# Altium PCB netv2mvp-pvt1b.PCBDOC (part 5 of 7)
Units mm, origin at the board's own origin, x right, y up, seen from the top; angles counter-clockwise.
Board outline 100 x 100 mm, 6 copper layers (L1, L2, L3, L4, L5, L6), stack 1.554 mm thick; 357 components, 296 nets, 2117 pads, 969 vias.
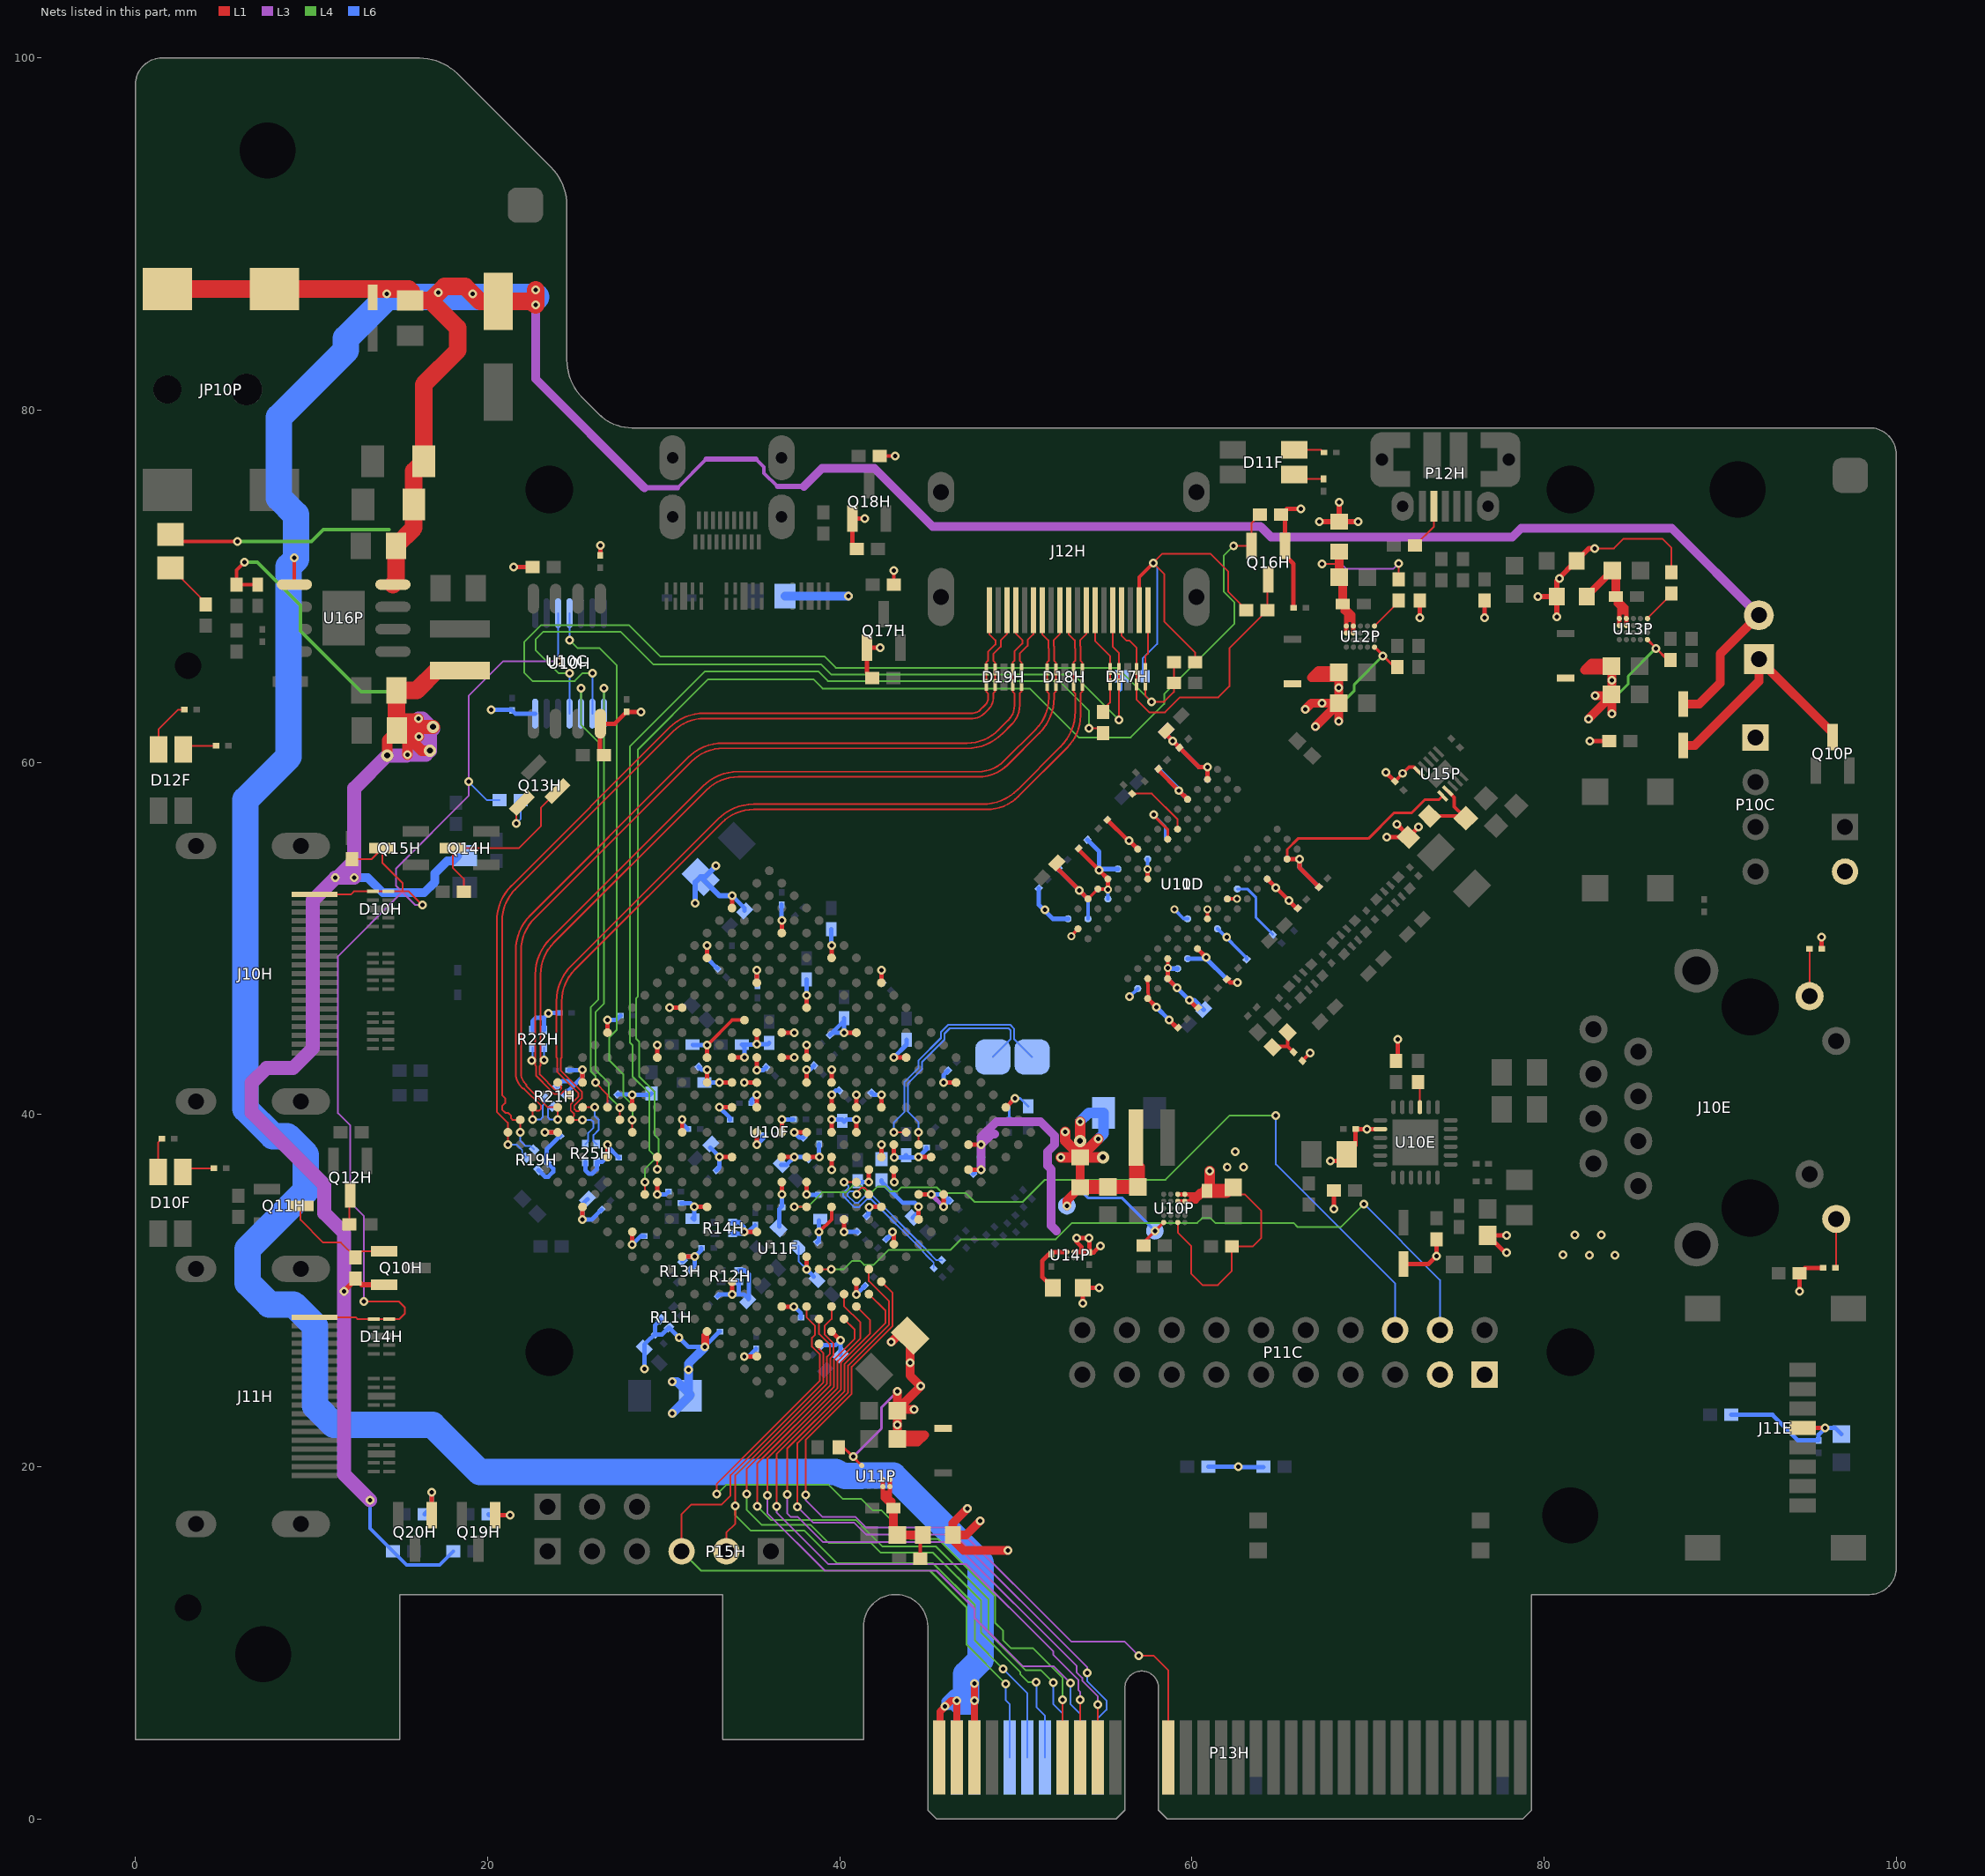
[diagram p9: the nets of this part, all layers, seen from the top]

## Via types
v1: diameter 0.5, hole 0.25, L1 to L6, tented both sides, 895 vias
v2: diameter 0.45, hole 0.25, L1 to L6, tented both sides, 57 vias
v3: diameter 0.7, hole 0.33, L1 to L6, 6 vias
v4: diameter 0.7, hole 0.33, L1 to L6, tented both sides, 5 vias
v5: diameter 0.66, hole 0.33, L1 to L6, tented top, 4 vias
v6: diameter 0.5, hole 0.25, L1 to L6, tented top, 2 vias

## Nets (pads, with @x,y where several pads share a name; then routed paths per layer and width w, separated by ;. In a path a pad name is that pad's centre, name@x,y a point inside that pad or via, vN(x,y) a via of type N, cw(c..) or ccw(c..) an arc to the next point about the centre after c; other vN are vias at no path point) (continued)
HAX_0: P13H.A9 U10F.B15 | length 41
  L1 w0.1: v1(35.9,18.375) 35.9,20.499 39.875,24.474 39.875,26.006 41.175,27.306 41.175,28.2 40.243,29.132 U10F.B15@40.243,29.808
  L3 w0.1: v1(35.9,18.375) 35.9,17.35 39.15,14.1 45.5,14.1 47.65,11.95 47.65,11.425 50.4,8.675 52.15,8.675 v1(53.1,7.725)
  L6 w0.1: v1(53.1,7.725) 53.1,6.525 53.65,5.975 P13H.A9@53.65,3.5
HAX_1: P13H.A7 U10F.B16 | length 40.1
  L1 w0.1: v1(34.725,18.45) 34.725,19.889 39.475,24.639 39.475,26.172 39.65,26.347 39.65,27.006 39.136,27.521 39.136,27.989 39.536,28.389 U10F.B16@39.536,29.101
  L4 w0.1: v1(34.725,18.45) 34.725,17.55 35.575,16.7 38.35,16.7 39.375,15.675 41.775,15.675 42.325,15.125 45.3,15.125 48.025,12.4 48.025,10.575 50.25,8.35 50.25,8.225 50.7,7.775 v1(51.15,7.775)
  L6 w0.1: v1(51.15,7.775) 51.175,7.75 51.175,6.35 51.65,5.875 P13H.A7@51.65,3.5
HAX_2: P13H.A10 U10F.B13 | length 42.1
  L1 w0.1: v1(37.6,17.725) 37.6,21.35 40.475,24.225 40.475,25.758 42.8,28.083 42.8,29.4 41.657,30.543 U10F.B13@41.657,31.222
  L3 w0.1: v1(37.6,17.725) 38.5,16.825 40.825,16.825 41.5,16.15 46.525,16.15 54.05,8.625 v1(54.05,8.3)
  L6 w0.1: v1(54.05,8.3) 54.05,7.825 55.15,6.725 55.15,6.2 54.65,5.7 P13H.A10@54.65,3.5
HAX_3: P13H.B9 U10F.A15 | length 39.8
  L1 w0.1: v1(36.425,17.75) 36.425,20.741 40.075,24.391 40.075,25.924 41.725,27.574 41.725,28.325 U10F.A15@40.95,29.101 ; P13H.B9@53.65,3.5 v1(53.65,6.775)
  L3 w0.1: v1(36.425,17.75) 36.425,17.4 39.35,14.475 47.175,14.475 52.137,9.513 52.137,9.313 53.55,7.9 53.55,7.325 53.65,7.225 v1(53.65,6.775)
HAX_4: P13H.A8 U10F.A16 | length 39.7
  L1 w0.1: v1(35.325,17.75) 35.325,20.206 39.675,24.556 39.675,26.089 40.85,27.264 40.85,27.786 U10F.A16@40.243,28.393
  L4 w0.1: v1(35.325,17.75) 36.1,16.975 40.925,16.975 42.425,15.475 45.475,15.475 48.45,12.5 48.45,10.55 50.55,8.45 51.425,8.45 v1(52.125,7.75)
  L6 w0.1: v1(52.125,7.75) 52.125,6.525 52.65,6 P13H.A8@52.65,3.5
HAX_5: P13H.B12 U10F.A13 | length 44.2
  L1 w0.1: v1(38.075,18.4) 38.075,21.542 40.675,24.142 40.675,25.675 43,28 43,29.879 U10F.A13@42.364,30.515 ; v1(56.975,9.275) 57.825,9.275 58.65,8.45 P13H.B12@58.65,3.5
  L3 w0.1: v1(38.075,18.4) 38.075,18.1 39.025,17.15 40.9,17.15 41.5,16.55 46.675,16.55 53.15,10.075 56.175,10.075 v1(56.975,9.275)
HAX_6: P13H.B10 U10F.A14 | length 40.9
  L1 w0.1: v1(37.025,18.425) 37.025,21.058 40.275,24.308 40.275,25.841 42.6,28.166 42.6,28.864 U10F.A14@41.657,29.808 ; P13H.B10@54.65,3.5 v1(54.65,6.5)
  L3 w0.1: v1(37.025,18.425) 37.025,17.35 37.225,17.15 37.625,17.15 39.05,15.725 46.425,15.725 53.45,8.7 53.45,8.334 53.775,8.009 53.775,7.85 54.65,6.975 v1(54.65,6.5)
HAX_7: P13H.A6 P15H.2 U10F.B17 | length 42
  L1 w0.1: P15H.2@33.56,15.2 33.56,16.26 34.075,16.775 v1(34.075,17.775) 34.075,19.522 39.275,24.722 39.275,26.255 39.45,26.43 39.45,26.923 38.828,27.545 U10F.B17@38.828,28.393
  L4 w0.1: v1(34.075,17.775) 34.075,17.25 34.95,16.375 38,16.375 39.85,14.525 45.3,14.525 47.675,12.15 47.675,10.125 v1(49.275,8.525)
  L6 w0.1: v1(49.275,8.525) 50.65,7.15 P13H.A6@50.65,3.5
HAX_8: P13H.A5 P15H.3 U10F.A18 | length 43.3
  L1 w0.1: P15H.3@31.02,15.2 31.02,17.316 31.554,17.85 33.275,17.85 33.795,18.37 33.795,19.525 39.075,24.805 39.075,26.45 38.828,26.696 U10F.A18@38.828,26.979
  L4 w0.1: P15H.3@31.02,15.2 32.12,14.1 45.125,14.1 47.2,12.025 47.2,9.9 v1(49.425,7.675)
  L6 w0.1: v1(49.425,7.675) 49.425,6.75 49.65,6.525 P13H.A5@49.65,3.5
HAX_9: P13H.B8 U10F.C17 | length 43.6
  L1 w0.1: v1(33.025,18.45) 33.025,19.038 38.875,24.888 38.875,26.367 38.428,26.813 38.428,27.328 38.6,27.5 38.6,28 38.121,28.479 U10F.C17@38.121,29.101 ; P13H.B8@52.65,3.5 v1(52.65,6.775)
  L4 w0.1: v1(33.025,18.45) 33.55,18.975 39.375,18.975 40.175,18.175 41.225,18.175 41.875,17.525 42.375,17.525 44,15.9 45.6,15.9 48.825,12.675 48.825,11.15 49.275,10.7 49.275,10.15 49.725,9.7 50.975,9.7 52.65,8.025 v1(52.65,6.775)
HAX_CLK_N: TP12H.1 U10F.E6 | length 13.3
  L1 w0.099: U10F.E6@44.485,38.293 v1(44.485,38.993)
  L6 w0.099: v1(44.485,38.993) 44.485,39.558 43.882,40.161 43.882,41.783 44.683,42.584 44.683,43 45.95,44.267 45.95,44.6 46.25,44.9 49.6,44.9 49.7,44.8 49.7,44.275 TP12H.1@48.7,43.275
HAX_CLK_P: TP10H.1 U10F.F6 | length 13.9
  L1 w0.099: v1(43.078,39) U10F.F6@43.778,39
  L6 w0.099: v1(43.078,39) 43.078,39.565 43.682,40.169 43.682,41.866 44.483,42.667 44.483,43.083 45.75,44.35 45.75,44.683 46.167,45.1 49.683,45.1 49.9,44.883 49.9,44.3 TP10H.1@50.925,43.275
HDMI_HPD: D10H.5 D10H.6 D14H.5 D14H.6 J10H.19 J11H.19 Q15H.3 R10H.2 R32H.1 U10H.3 | length 70.2
  L1 w0.1: J11H.19@10.16,28.5 12.5,28.5 12.6,28.4 D14H.5@14.413,28.4 15,28.4 15.3,28.7 15.3,29.05 14.95,29.4 v1(12.975,29.4) ; J10H.19@10.16,52.5 12.225,52.5 12.4,52.675 D10H.6@13.487,52.675 D10H.5@14.362,52.675 15.175,52.675 ; R10H.2@12.3,54.5 13.4,54.5 Q15H.3@14.025,55.125 14.025,54.3 15.175,53.15 15.175,52.675 ; v1(16.3,51.9) 15.525,52.675 15.175,52.675
  L3 w0.1: v1(12.975,29.4) 12.975,34.225 12.2,35 12.2,39.375 11.5,40.075 11.5,49 15.15,52.65 ; v1(16.3,51.9) 15.9,51.9 15.15,52.65 ; v1(24,65.75) 20.9,65.75 18.925,63.775 18.925,58.1 14.8,53.975 14.8,53 15.15,52.65
  L6 w0.1: v1(18.925,58.9) 19.975,57.85 R32H.1@20.675,57.85 ; v1(24,65.75) U10H.3@24,68.475
HDMI_HPD_LL_N: U10F.U17 U10H.4 | length 32
  L1 w0.1: U10F.U17@28.222,39 v1(28.222,39.7)
  L4 w0.1: v1(24.65,66.95) 25.1,66.5 26.35,66.5 27.325,65.525 27.325,44.8 26.9,44.375 26.9,43.1 27.7,42.3 27.7,41.075 28.225,40.55 v1@28.225,39.7
  L6 w0.1: v1(24.65,66.95) U10H.4@24.65,68.475
MCU_INT0: P11C.4 U10F.D15 | length 42
  L1 w0.1: U10F.D15@38.828,31.222 v1(39.525,31.222)
  L4 w0.1: v1(39.525,31.222) 40.222,31.222 40.7,31.7 41.15,31.7 41.375,31.475 41.925,31.475 42.775,32.325 46.3,32.325 46.9,32.925 52.275,32.925 53.2,33.85 60.3,33.85 60.563,34.113 61.064,34.113 61.327,33.85 65.775,33.85 66.016,33.609 68.459,33.609 v1(69.775,34.925)
  L6 w0.1: v1(69.775,34.925) 74.09,30.61 P11C.4@74.09,27.77
MCU_INT1: P11C.6 U10F.G13 | length 46.4
  L1 w0.1: v1(37.425,34.757) U10F.G13@38.121,34.757
  L4 w0.1: v1(37.425,34.757) 38.182,34.757 39.025,35.6 40.375,35.6 40.75,35.975 41.15,35.975 41.475,35.65 41.875,35.65 42.15,35.925 42.55,35.925 42.825,35.65 43.275,35.65 43.5,35.875 45.5,35.875 45.825,35.55 47.15,35.55 47.65,35.05 50.404,35.05 51.654,36.3 58.5,36.3 62.15,39.95 v1(64.775,39.95)
  L6 w0.1: v1(64.775,39.95) 64.775,37.175 71.55,30.4 P11C.6@71.55,27.77
NetC50D_2: C50D.2 R12D.2 R13D.2 | length 2.1
  L1 w0.2: R12D.2@64.599,43.826 64.649,43.876 65.449,43.876 ; R13D.2@65.449,44.676 65.449,43.876 ; C50D.2@65.778,43.547 65.449,43.876
NetD10F_1: D10F.1 R16F.1 | length 1.5
  L1 w0.1: D10F.1@2.9,36.95 R16F.1@4.45,36.95
NetD10F_2: D10F.2 R19E.1 | length 2
  L1 w0.1: D10F.2@1.3,36.75 1.3,38.425 R19E.1@1.5,38.625
NetD11F_1: D11F.1 R17F.1 | length 1.8
  L1 w0.1: D11F.1@65.825,76.35 66.075,76.1 R17F.1@67.475,76.1
NetD11F_2: D11F.2 R20E.1 | length 1.7
  L1 w0.1: D11F.2@65.825,77.75 67.35,77.75 R20E.1@67.5,77.6
NetD11P_2: D11P.2 R32P.1 | length 2.9
  L1 w0.1: D11P.2@2,71.05 4,69.05 R32P.1@4,68.975
NetD12F_1: D12F.1 R18F.1 | length 1.9
  L1 w0.1: D12F.1@2.725,60.75 2.925,60.95 R18F.1@4.575,60.95
NetD12F_2: D12F.2 R21E.1 | length 3.1
  L1 w0.1: D12F.2@1.325,60.75 1.325,61.9 2.425,63 R21E.1@2.775,63
NetD12P_2: D12P.2 P10P.1 Q10P.3 | length 13.2
  L1 w0.5: D12P.2@87.9,60.975 88.575,60.975 92.2,64.6 P10P.1@92.2,65.859 96.4,61.659 Q10P.3@96.4,61.447
NetJ10E_L1: J10E.L1 R12E.1 | length 2.7
  L1 w0.1: J10E.L1@95.08,46.725 R12E.1@95.08,49.42
NetJ10E_L4: J10E.L4 R14E.1 | length 2.7
  L1 w0.1: R14E.1@96.6,31.35 J10E.L4@96.6,34.075
NetP12H_4: P12H.4 R39H.1 | length 2.6
  L1 w0.1: R39H.1@72.675,72.325 73.75,73.4 P12H.4@73.75,74.475
NetQ10H_1: Q10H.1 Q11H.3 R16H.2 | length 6.6
  L1 w0.1: Q11H.3@9.375,34.825 9.375,34.025 10.662,32.738 11.662,32.738 R16H.2@12.5,31.9 12.85,32.25 Q10H.1@14.125,32.25
NetQ12H_3: Q12H.3 R18H.1 | length 1.7
  L1 w0.1: R18H.1@12.15,33.775 12.15,35.425 Q12H.3@12.2,35.475
NetQ13H_1: Q13H.1 Q14H.3 R27H.2 | length 10.6
  L1 w0.1: R27H.2@18.65,52.65 18.65,53.4 18.025,54.025 Q14H.3@18.025,55.125 21.775,55.125 23.025,56.375 23.025,57.431 Q13H.1@23.969,58.375
NetQ13H_3: Q13H.3 R32H.2 | length 2.7
  L1 w0.1: v1(21.625,56.525) 21.625,57.375 Q13H.3@21.953,57.703
  L6 w0.1: v1(21.625,56.525) 21.875,56.775 R32H.2@21.875,57.85
NetR10D_2: R10D.2 U10D.L8 | length 3.7
  L6 w0.15: U10D.L8@62.584,52.816 63.151,52.816 63.65,52.317 63.65,51.184 R10D.2@64.599,50.235
NetR11F_1: R11F.1 U10F.F8 | length 1.5
  L1 w0.25: U10F.F8@42.364,37.586 v1(42.364,38.301)
  L6 w0.2: R11F.1@42.375,37.475 v1@42.375,38.29
  L6 w0.25: v1(42.364,38.301) v1@42.375,38.29
NetR14D_2: R14D.2 U11D.L8 | length 3.7
  L1 w0.1: R14D.2@56.609,58.225 57.725,58.225 59.19,56.76 U11D.L8@59.19,56.21
NetR15E_2: R15E.2 U10E.9 | length 1.4
  L1 w0.1: U10E.9@72.95,40.425 R15E.2@72.95,41.85
NetR21P_2: R21P.2 U12P.A1 | length 2
  L1 w0.1: U12P.A1@70.375,67.75 71.725,69.1 R21P.2@71.725,69.225
NetR22P_1: R22P.1 U13P.A1 | length 2
  L1 w0.1: U13P.A1@85.875,68.175 87.225,69.525 R22P.1@87.225,69.65
OV0_CEC: D17H.1 D17H.10 J12H.13 R26H.1 | length 6.4
  L1 w0.1: J12H.13@54.5,68.64 54.5,66.9 55.35,66.05 D17H.10@55.35,65.313 D17H.1@55.35,64.438 55.35,63.4 54.95,63 R26H.1@54.95,62.75
OV0_CEC_R: R26H.2 U10F.P19 | length 56.9
  L1 w0.1: U10F.P19@28.929,35.464 v1(28.929,36.164) ; v1(54.15,61.95) 54.675,61.95 R26H.2@54.95,61.675
  L4 w0.1: v1(28.929,36.164) 28.929,36.904 29.425,37.4 29.425,37.725 29.175,37.975 29.175,41.225 28.225,42.175 28.225,43.95 28.075,44.1 28.075,60.9 32.35,65.175 38.773,65.175 39.323,64.625 52.475,64.625 54.15,62.95 v1(54.15,61.95)
OV0_DDC_SCL: D17H.2 D17H.9 J12H.15 R51H.2 U10H.11 | length 49.6
  L1 w0.1: J12H.15@55.5,68.64 55.5,66.575 55.85,66.225 D17H.9@55.85,65.313 D17H.2@55.85,64.438 v1(55.85,62.425)
  L4 w0.1: v1(24.65,65.075) 24.025,65.075 22.725,66.375 22.725,66.975 23.175,67.425 27.55,67.425 29.4,65.575 38.939,65.575 39.514,65 53.275,65 v1(55.85,62.425)
  L6 w0.1: U10H.11@24.65,62.775 v1(24.65,65.075) ; v1(55.85,62.425) 55.85,63.975 56,64.125 R51H.2@56,64.9
OV0_DDC_SCL_LV: U10F.W17 U10H.10 | length 26.2
  L1 w0.1: v1(26.125,41.825) 26.808,41.142 U10F.W17@26.808,40.414
  L4 w0.1: v1(25.3,64.225) 25.3,62.15 26.275,61.175 26.275,46.525 25.85,46.1 25.85,42.475 26.125,42.2 v1(26.125,41.825)
  L6 w0.1: U10H.10@25.3,62.775 v1(25.3,64.225)
OV0_DDC_SDA: D17H.4 D17H.7 J12H.16 Q16H.3 R35H.2 | length 18.7
  L1 w0.1: J12H.16@56,68.64 56,67.2 56.275,66.925 56.45,66.925 56.85,66.525 D17H.7@56.85,65.313 D17H.4@56.85,64.438 56.85,63.575 57.575,62.85 58.475,62.85 59.325,63.7 61.5,63.7 62.125,64.325 62.125,66.475 R35H.2@64.3,68.65 64.3,70.35 Q16H.3@64.35,70.4
OV0_DDC_SDA_LV: Q16H.2 R36H.2 U10F.R17 | length 73
  L1 w0.1: v1(29.636,36.886) U10F.R17@29.636,37.586 ; v1(62.375,72.3) Q16H.2@63.4,72.3 63.4,73.6 R36H.2@63.875,74.075
  L4 w0.1: v1(29.636,36.886) 29.625,36.897 29.625,37.25 29.7,37.325 29.7,38.625 29.475,38.85 29.475,41.3 28.6,42.175 28.6,44.15 28.425,44.325 28.425,46.6 28.525,46.7 28.525,60.714 32.536,64.725 38.5,64.725 39.025,64.2 50.8,64.2 53.575,61.425 56.525,61.425 58.425,63.325 58.425,63.875 62.425,67.875 62.425,69.075 61.8,69.7 61.8,71.725 v1(62.375,72.3)
OV0_HDMI_HPD: D17H.5 D17H.6 J12H.19 R29H.1 R33H.1 U10H.9 | length 54.7
  L1 w0.1: J12H.19@57.5,68.64 57.5,66.175 57.35,66.025 D17H.6@57.35,65.313 D17H.5@57.35,64.438 57.35,63.8 v1(57.7,63.45) 58.425,63.45 58.975,64 R33H.1@58.975,64.525 R29H.1@58.975,65.7
  L4 w0.1: v1(25.95,65.075) 25.4,65.075 24.95,64.625 22.55,64.625 22.075,65.1 22.075,66.825 23.05,67.8 28.025,67.8 29.8,66.025 39.125,66.025 39.775,65.375 55.775,65.375 v1(57.7,63.45)
  L6 w0.1: U10H.9@25.95,62.775 v1(25.95,65.075)
OV0_HDMI_HPD_LV: U10F.V17 U10H.8 | length 26.7
  L1 w0.1: U10F.V17@27.515,39.707 v1(27.515,40.407)
  L4 w0.1: v1(26.6,64.225) 26.6,46.3 26.125,45.825 26.125,42.55 26.875,41.8 26.875,41.047 v1(27.515,40.407)
  L6 w0.1: U10H.8@26.6,62.775 v1(26.6,64.225)
OV0_P5V: J12H.18 R29H.2 R35H.1 R51H.1 | length 24
  L1 w0.1: R29H.2@60.175,65.7 60.175,66.25 58.425,68 58.425,70.7 v1(57.8,71.325) 58.325,71.85 61.05,71.85 62.05,70.85 62.05,69.7 R35H.1@63.1,68.65
  L1 w0.2: J12H.18@57,68.64 57,70.525 v1(57.8,71.325)
  L6 w0.1: R51H.1@57.2,64.9 57.2,65.9 58.025,66.725 58.025,71.1 v1(57.8,71.325)
OV0_TMDS0_N: D18H.4 D18H.7 J12H.9 R22H.3 U10F.AB18 | length 50.2
  L1 w0.099: U10F.AB18@23.979,41.828 24.191,41.616 24.191,41.475 24.086,41.37 23.872,41.37 22.96,42.282 22.96,42.74 23.01,42.79 23.01,47.958 cw(c25.55,47.958) 23.754,49.754 32.432,58.432 cw(c34.228,56.636) 34.228,59.176 47.876,59.176 ccw(c47.876,61.524) 49.536,59.864 51.346,61.673 ccw(c49.343,63.675) 52.175,63.675 52.175,63.925 52.275,64.025 D18H.7@52.275,64.413 D18H.4@52.275,65.287 52.275,65.675 52.175,65.775 52.175,66.6 52.15,66.625 52.15,66.94 52.5,67.29 J12H.9@52.5,68.64
  L6 w0.099: R22H.3@23.2,43.8 23.2,43.1 v1(23.21,43.09)
OV0_TMDS0_P: D18H.5 D18H.6 J12H.7 R22H.4 U10F.AA18 | length 50.8
  L1 w0.099: U10F.AA18@24.686,41.121 24.474,41.333 24.333,41.333 24.169,41.17 23.789,41.17 23.52,41.44 22.76,42.199 22.76,42.74 22.71,42.79 22.71,47.957 cw(c25.549,47.957) 23.542,49.964 32.221,58.643 cw(c34.228,56.636) 34.228,59.475 47.876,59.475 ccw(c47.876,61.524) 49.325,60.075 51.133,61.883 ccw(c49.34,63.675) 51.875,63.675 51.875,63.925 51.775,64.025 D18H.6@51.775,64.413 D18H.5@51.775,65.287 51.775,65.675 51.875,65.775 51.875,66.476 51.85,66.501 51.85,66.94 51.5,67.29 J12H.7@51.5,68.64
  L6 w0.099: v1(22.51,43.08) 22.55,43.12 R22H.4@22.55,43.8
OV0_TMDS1_N: D19H.1 D19H.10 J12H.6 R21H.3 U10F.AA19 | length 52.7
  L1 w0.099: v1(23.979,39.714) U10F.AA19@23.979,40.414 23.413,40.414 22.216,41.612 ccw(c22.041,41.612) 22.165,41.735 22.15,41.75 cw(c22.754,42.354) 21.9,42.354 21.9,49.323 cw(c24.44,49.323) 22.644,51.119 31.582,60.057 cw(c33.378,58.261) 33.378,60.801 47.223,60.801 ccw(c47.223,63.64) 49.23,61.633 49.787,62.189 ccw(c48.728,63.247) 50.225,63.247 50.225,63.925 50.325,64.025 D19H.10@50.325,64.413 D19H.1@50.325,65.287 50.325,65.675 50.225,65.775 50.225,66.175 50.675,66.625 50.675,66.95 51,67.275 J12H.6@51,68.64
  L6 w0.099: R21H.3@23.703,40.463 23.505,40.463 23.422,40.38 23.422,39.85 23.558,39.714 v1(23.979,39.714)
OV0_TMDS1_P: D19H.2 D19H.9 J12H.4 R21H.4 U10F.AB20 | length 53.1
  L1 w0.099: v1(22.565,39.714) U10F.AB20@22.565,40.414 22.759,40.22 22.93,40.22 23.02,40.31 23.02,40.525 22.074,41.471 cw(c22.074,41.634) 21.959,41.518 21.939,41.539 cw(c22.754,42.354) 21.601,42.354 21.601,49.323 cw(c24.44,49.323) 22.433,51.33 31.371,60.268 cw(c33.378,58.261) 33.378,61.1 47.223,61.1 ccw(c47.223,63.64) 49.019,61.844 49.575,62.4 ccw(c48.73,63.245) 49.925,63.245 49.925,63.925 49.825,64.025 D19H.9@49.825,64.413 D19H.2@49.825,65.287 49.825,65.675 49.925,65.775 49.925,66.299 50.375,66.749 50.375,66.95 50,67.325 J12H.4@50,68.64
  L6 w0.099: v1(22.565,39.714) 22.987,39.714 23.122,39.85 23.122,40.504 23.243,40.625 R21H.4@23.243,40.923
OV0_TMDS2_N: D19H.4 D19H.7 J12H.3 R19H.2 U10F.AB21 | length 53.5
  L1 w0.099: v1(21.858,39.007) U10F.AB21@21.858,39.707 21.413,39.707 21.32,39.8 21.32,39.955 21.178,40.097 21.023,40.097 20.825,40.295 20.825,40.475 21,40.65 21,40.925 20.825,41.1 20.825,50.998 cw(c23.365,50.998) 21.569,52.794 30.532,61.757 cw(c32.328,59.961) 32.328,62.501 47.553,62.501 ccw(c47.553,63.397) 48.186,62.764 48.479,63.056 ccw(c47.885,63.65) 48.725,63.65 48.725,63.925 48.825,64.025 D19H.7@48.825,64.413 D19H.4@48.825,65.287 48.825,65.675 48.725,65.775 48.725,66.151 49.15,66.576 49.15,66.94 49.5,67.29 J12H.3@49.5,68.64
  L6 w0.099: v1(21.858,39.007) 21.858,38.512 22.139,38.232 22.427,38.232 R19H.2@22.64,38.02
OV0_TMDS2_P: D19H.5 D19H.6 J12H.1 R19H.1 U10F.AB22 | length 53.5
  L1 w0.099: v1(21.151,38.3) U10F.AB22@21.151,39 21.151,39.545 20.525,40.171 20.525,50.997 cw(c23.364,50.997) 21.357,53.004 30.321,61.968 cw(c32.328,59.961) 32.328,62.8 47.553,62.8 ccw(c47.553,63.397) 47.975,62.975 48.266,63.266 ccw(c47.882,63.65) 48.425,63.65 48.425,63.925 48.325,64.025 D19H.6@48.325,64.413 D19H.5@48.325,65.287 48.325,65.675 48.425,65.775 48.425,66.275 48.85,66.7 48.85,66.94 48.5,67.29 J12H.1@48.5,68.64
  L6 w0.099: v1(21.151,38.3) 21.646,38.3 21.968,37.978 21.968,37.772 R19H.1@22.18,37.56
OV0_TMDS3_N: D18H.1 D18H.10 J12H.12 R25H.2 U10F.Y18 | length 53.7
  L1 w0.099: v1(26.093,40.414) U10F.Y18@25.393,40.414 25.181,40.202 25.04,40.202 24.92,40.322 24.92,40.5 25.349,40.929 25.349,41.308 24.16,42.496 24.16,43.19 24.21,43.24 24.21,46.433 cw(c26.75,46.433) 24.954,48.229 33.307,56.582 cw(c35.103,54.786) 35.103,57.326 48.347,57.326 ccw(c48.347,59.866) 50.143,58.07 52.931,60.858 ccw(c51.135,62.654) 53.675,62.654 53.675,63.925 53.775,64.025 D18H.10@53.775,64.413 D18H.1@53.775,65.287 53.775,65.675 53.675,65.775 53.675,66.6 53.65,66.625 53.65,66.94 54,67.29 J12H.12@54,68.64
  L6 w0.099: v1(26.093,40.414) 26.093,39.919 26.31,39.702 26.31,39.126 26.02,38.836 26.02,38.49 R25H.2@26.2,38.31
OV0_TMDS3_P: D18H.2 D18H.9 J12H.10 R25H.1 U10F.Y19 | length 53.6
  L1 w0.099: v1(25.386,39.707) U10F.Y19@24.686,39.707 24.898,39.919 24.898,40.061 24.72,40.239 24.72,40.583 25.149,41.011 25.149,41.225 24.987,41.387 23.96,42.413 23.96,43.19 23.91,43.24 23.91,46.432 cw(c26.749,46.432) 24.742,48.439 33.096,56.793 cw(c35.103,54.786) 35.103,57.625 48.099,57.625 ccw(c48.099,60.464) 50.107,58.457 52.543,60.893 ccw(c50.536,62.901) 53.375,62.901 53.375,63.925 53.275,64.025 D18H.9@53.275,64.413 D18H.2@53.275,65.287 53.275,65.675 53.375,65.775 53.375,66.476 53.35,66.501 53.35,66.94 53,67.29 J12H.10@53,68.64
  L6 w0.099: v1(25.386,39.707) 25.881,39.707 26.01,39.578 26.01,39.25 25.72,38.96 25.72,38.48 R25H.1@25.55,38.31
P1.0V: C10F.1 C11F.1 C12F.1 C14P.1 C15P.1 C38F.1 C39F.1 C41F.1 C42F.1 C43F.1 C44F.1 C45F.1 C46F.1 C47F.1 C48F.1 C49F.1 L10P.2 pad.0@52.9,34.825 pad.2 R10P.1 R10P.2 R14P.2 U10F.D6 U10F.D10 U10F.E8 U10F.F7 U10F.F9 U10F.H8 U10F.H10 U10F.J7 U10F.J9 U10F.J11 U10F.K8 U10F.L7 U10F.L11 U10F.M8 U10F.N7 U10F.N11 U10F.P8 U10F.P10 U10F.R7 U10F.R9 U10F.T8 U10F.T10 U10P.A4 | length 57.5
  L1 w0.15: R14P.2@57.25,32.575 57.25,32.725 U10P.A4@58.4,33.875
  L1 w0.25: U10F.T10@33.879,43.243 v1(34.594,43.243) ; v1(34.578,41.828) U10F.P10@35.293,41.828 ; U10F.N11@35.293,40.414 v1(35.293,41.129) ; v1(35.293,42.528) U10F.R9@35.293,43.243 ; v1@35.293,43.942 v1(35.293,44) U10F.T8@35.293,44.657 ; U10F.L11@36.707,39 v1(36.707,39.715) ; U10F.P8@36.707,43.243 v1(37.422,43.243) ; U10F.R7@36.707,44.657 v1(37.422,44.657) ; U10F.J11@38.121,37.586 v1(38.836,37.586) ; U10F.M8@38.121,41.828 v1(38.121,42.543) ; U10F.N7@38.121,43.243 v1(38.121,43.958) ; v1(39.536,36.871) U10F.H10@39.536,37.586 ; U10F.J9@39.536,39 v1(39.536,39.715) ; U10F.K8@39.536,40.414 v1(39.536,41.129) ; U10F.L7@39.536,41.828 v1(39.536,42.543) ; U10F.H8@40.95,39 v1(40.95,39.715) ; U10F.J7@40.95,40.414 v1(40.95,41.129) ; v1@41.649,34.757 U10F.D10@42.364,34.757 ; v1(41.657,36.164) U10F.F9@41.657,36.879 ; v1@43.071,36.164 U10F.E8@43.071,36.879 ; v1@43.071,37.578 U10F.F7@43.071,38.293 ; v1(44.477,37.586) U10F.D6@45.192,37.586